# Allegro board SDHCalFEB_old.brd (continued)
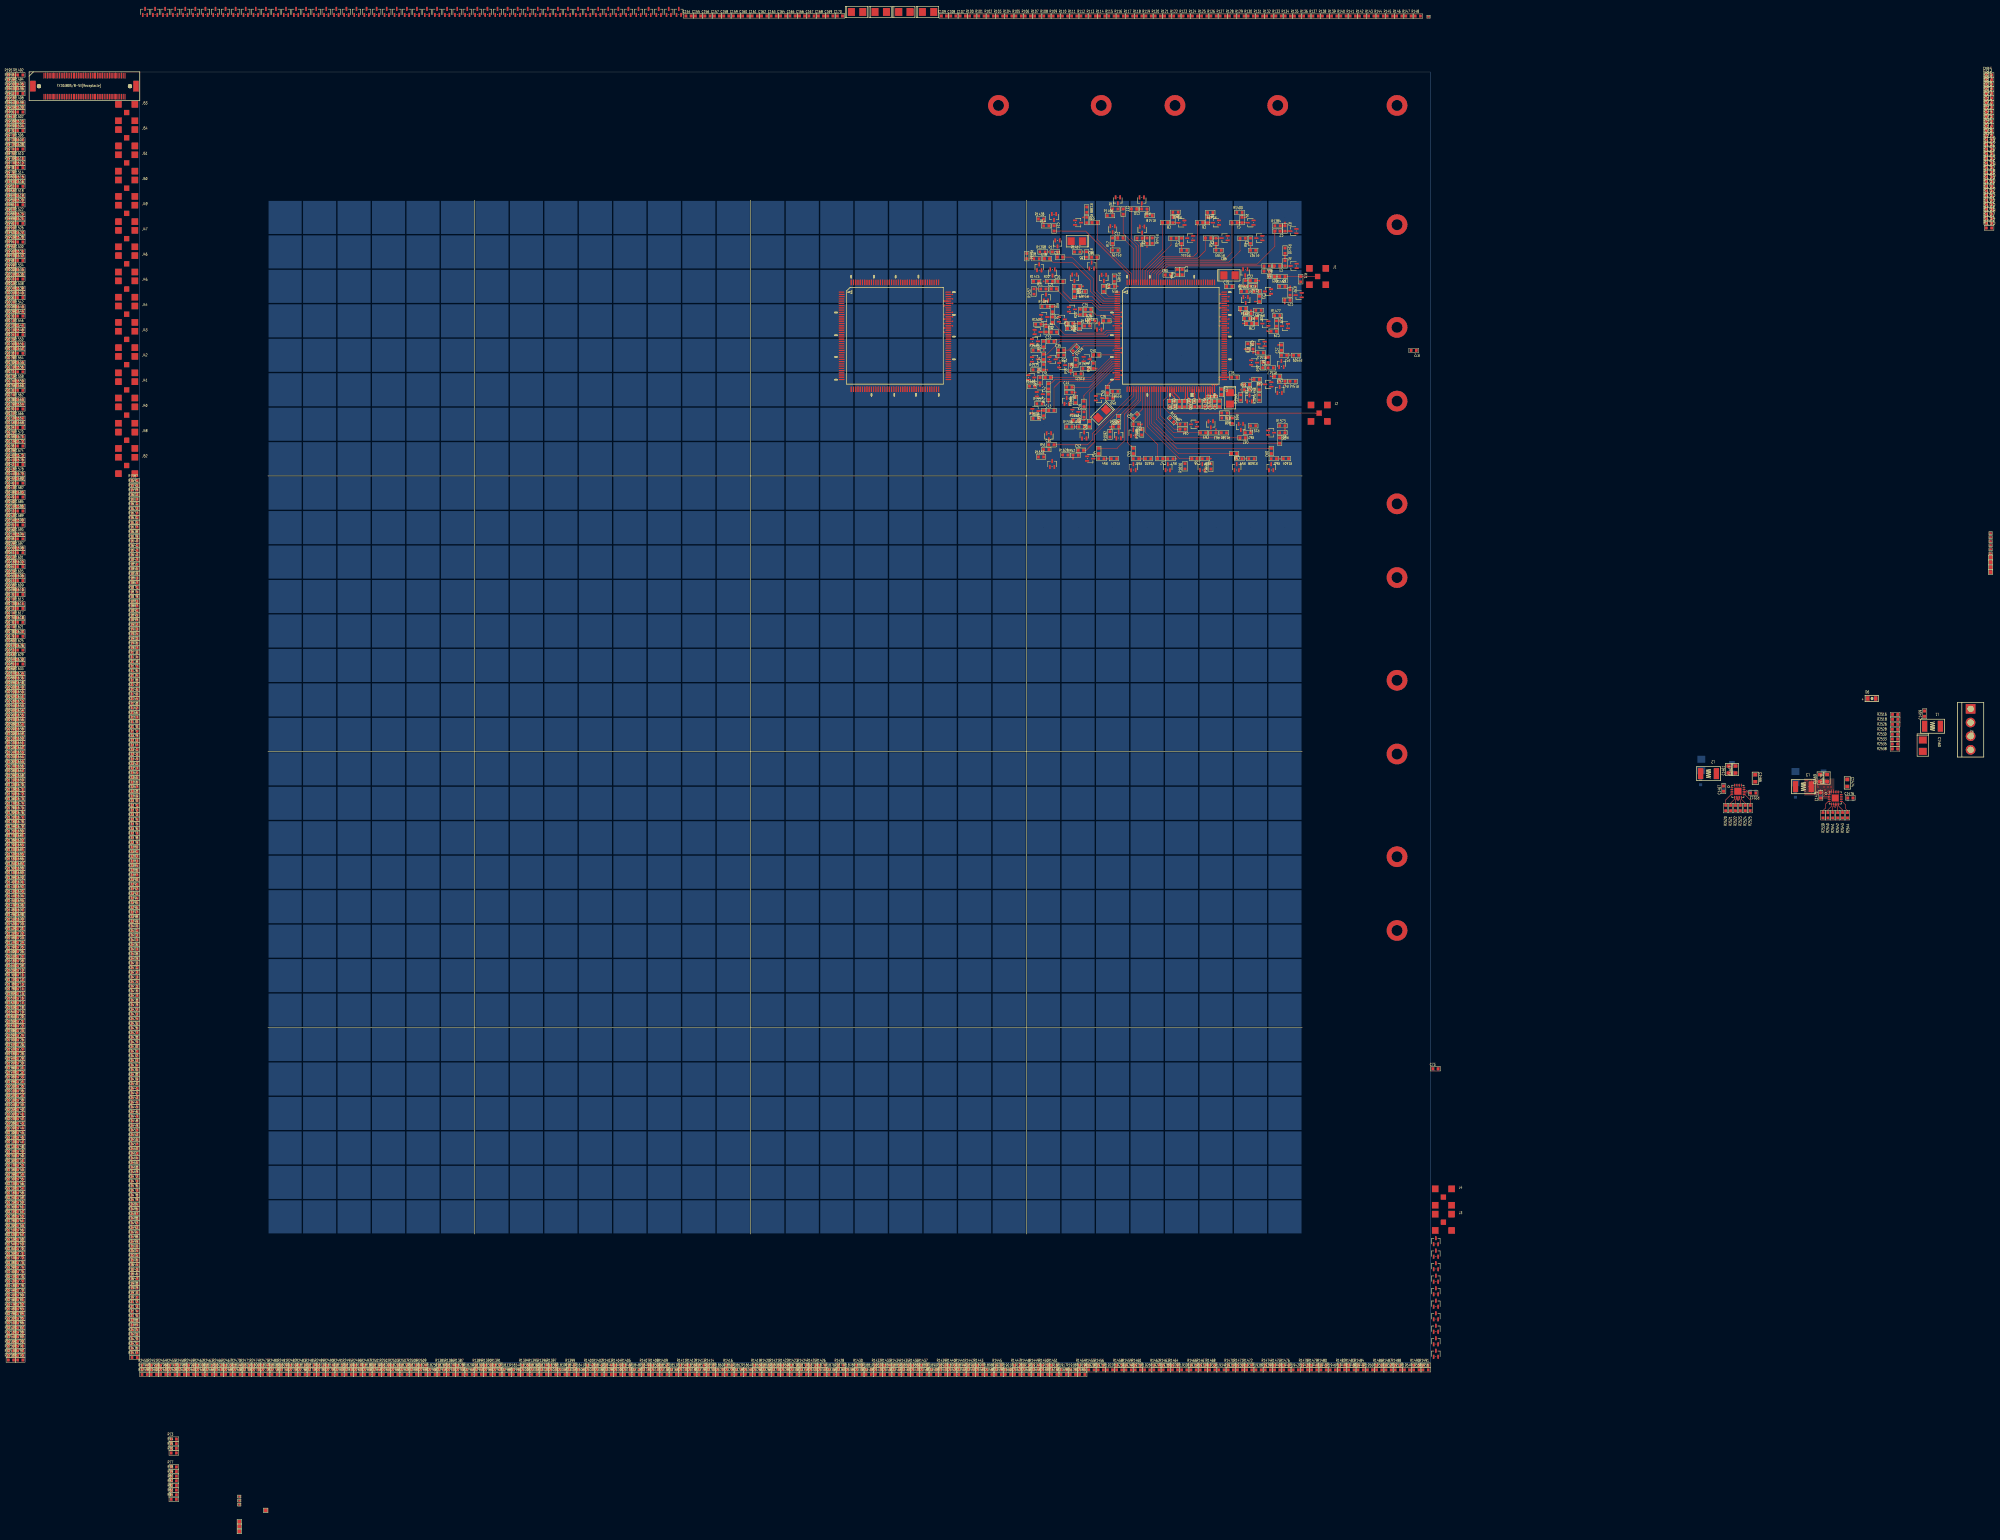
[diagram p0: board, top side]
## Routing (per net, layer and track width the routed paths; a pad name or vN(x,y) marks a point on that pad's centre or on a via; arc(x,y) is an arc through that point) (continued)
ANALOGIN41_ASIC_A1: length 21.9
  TOP w0.127: U65.30 281.79,291.67 275.86,285.74 C41.2
ANALOGIN42_ASIC_A1: length 22.9
  TOP w0.127: C42.2 264.23,283.93 265.46,285.17 276.15,285.17 282,291.02 U65.31
ANALOGIN43_ASIC_A1: length 28.1
  TOP w0.127: U65.32 282.04,290.37 276.17,284.51 266.88,284.51 265.21,282.84 C43.2
ANALOGIN44_ASIC_A1: length 16
  TOP w0.127: U65.33 282.23,289.72 275.44,282.93 C44.2
ANALOGIN45_ASIC_A1: length 14.9
  TOP w0.127: U65.34 282.39,289.07 273.9,280.58 C45.2
ANALOGIN46_ASIC_A1: length 19.4
  TOP w0.127: U65.35 282.6,288.42 275.48,281.3 C46.2
ANALOGIN47_ASIC_A1: length 46.2
  TOP w0.127: v2(284.77,287.77) U65.36 ; C47.2 v2(328.02,286.11)
  GND1 w0.127: v2(328.02,286.11) v3(327.24,286.11) ; v3(285.51,287.77) v2(284.77,287.77)
  SIG3 w0.127: v3(327.24,286.11) 326.74,286.61 288.34,286.61 287.18,287.77 v3(285.51,287.77)
ANALOGIN48_ASIC_A1: length 42.8
  TOP w0.127: C48.2 v2(322.02,285.21) ; v2(282.41,287.12) U65.37
  GND1 w0.127: v3(283.15,287.12) v2(282.41,287.12) ; v2(322.02,285.21) v3(320.68,285.21)
  SIG3 w0.127: v3(283.15,287.12) 286.36,287.12 288.27,285.21 v3(320.68,285.21)
ANALOGIN49_ASIC_A1: length 37.1
  TOP w0.127: v2(284.77,286.47) U65.38
  GND1 w0.127: v2(319.4,283.69) v3(318.67,283.69) ; v3(285.51,286.47) v2(284.77,286.47)
  SIG3 w0.127: v3(285.51,286.47) 288.49,283.49 317.92,283.49 318.12,283.69 v3(318.67,283.69)
ANALOGIN50_ASIC_A1: length 4.6
  TOP w0.127: C50.2 280.68,283.54 282.96,285.82 U65.39
ANALOGIN51_ASIC_A1: length 31.1
  TOP w0.127: U65.43 287.72,280.83 276.38,269.49 276.38,267.69 274.91,266.22 C51.2
ANALOGIN52_ASIC_A1: length 24.2
  TOP w0.127: C52.2 274.59,264.66 277.01,267.08 277.01,269.09 288.37,280.44 U65.44
ANALOGIN53_ASIC_A1: length 10
  TOP w0.127: C53.2 284.01,274.46 289.02,279.47 U65.45
ANALOGIN54_ASIC_A1: length 25
  TOP w0.127: U65.46 289.67,279.15 285.57,275.06 285.57,267.28 283.5,265.21 C54.2
ANALOGIN55_ASIC_A1: length 19.4
  TOP w0.127: U65.47 290.32,278.99 286.54,275.21 286.54,266.85 288.17,265.21 C55.2
ANALOGIN56_ASIC_A1: length 8
  TOP w0.127: C56.2 290.97,276.71 U65.48
ANALOGIN57_ASIC_A1: length 21.7
  TOP w0.127: U65.49 291.62,269.95 295.26,266.31 C57.2
ANALOGIN58_ASIC_A1: length 27.6
  TOP w0.127: U65.50 292.27,271.56 301.64,262.19 C58.2
ANALOGIN59_ASIC_A1: length 37.5
  TOP w0.127: U65.51 292.92,272 301.22,263.7 C59.2
ANALOGIN60_ASIC_A1: length 47.5
  TOP w0.127: C60.2 300.8,265.21 293.57,272.45 U65.52
ANALOGIN61_ASIC_A1: length 48.5
  TOP w0.127: C61.2 300.27,266.71 294.22,272.76 U65.53
ANALOGIN62_ASIC_A1: length 35.2
  TOP w0.127: U65.54 294.87,273.66 300.28,268.25 C62.2
ANALOGIN63_ASIC_A1: length 22.2
  TOP w0.127: U65.55 295.52,274.08 299.89,269.71 C63.2
ANALOGIN64_ASIC_A1: length 14.9
  TOP w0.127: C64.2 300.03,270.76 296.17,274.62 U65.56
CALI_EXT_ASIC_A1: length 9.4
  TOP w0.127: C66.1 332.82,315.04 332.82,315.05 R71.1 337.38,315.05 337.39,315.06 J1.1
CHIPSATB_A: length 87.1
  TOP w0.127: v2(233.4,302.72) U130.108 ; U65.108 v2(315.92,302.72)
  GND1 w0.127: v3(315.14,302.72) 315.14,302.72 v2(315.92,302.72) ; v2(233.4,302.72) 232.79,302.72 232.79,302.72 v3(232.66,302.72)
  SIG1 w0.127: v3(232.66,302.72) 233.21,302.72 233.26,302.77 288.27,302.77 288.9,303.4 311.53,303.4 312.22,302.72 v3(315.14,302.72)
CTEST_ASIC_A1: length 23.4
  TOP w0.127: R70.2 298.61,275.43 296.95,277.09 296.95,279.15 298.12,280.31 U65.59
CTEST_SMA_ASIC_A1: length 26.7
  TOP w0.127: J2.1 341.16,275.41 341.14,275.43 R70.1
DOUT1B_A: length 89.6
  TOP w0.127: v2(233.4,300.12) U130.104 ; U65.104 v2(315.77,300.12)
  GND1 w0.127: v3(232.66,300.12) v2(233.4,300.12) ; v2(315.77,300.12) v3(316.51,300.12)
  SIG1 w0.127: v3(316.51,300.12) 313.76,300.12 311.43,297.79 260.98,297.79 258.65,300.12 v3(232.66,300.12)
DOUT2B_A: length 83.3
  TOP w0.127: U65.105 v2(313.24,300.77) ; v2(235.76,300.77) U130.105
  GND1 w0.127: v2(313.24,300.77) v3(313.98,300.77) ; v3(236.5,300.77) v2(235.76,300.77)
  SIG1 w0.127: v3(236.5,300.77) 259.17,300.77 261.32,298.63 311.1,298.63 v2(313.24,300.77) v3(313.98,300.77)
ESD_SIGNAL1_ASIC_A1: length 3.2
  TOP w0.127: U1.3 332.8,318.13 332.8,318.13 R1.2 C1.1
ESD_SIGNAL2_ASIC_A1: length 3
  TOP w0.127: U2.3 332.8,328.24 332.8,328.24 R2.2 331.61,328.24 331.59,328.23 C2.1
ESD_SIGNAL4_ASIC_A1: length 3
  TOP w0.127: C4.1 318.95,330.67 318.96,330.68 R4.2 320.35,330.68 320.36,330.67 U4.3
ESD_SIGNAL5_ASIC_A1: length 3.2
  TOP w0.127: U5.3 312.79,326.2 312.78,326.2 R5.2 311.59,326.2 311.58,326.21 C5.1
ESD_SIGNAL6_ASIC_A1: length 3
  TOP w0.127: C6.1 309.16,330.67 309.16,330.67 R6.2 310.35,330.67 310.36,330.67 U6.3
ESD_SIGNAL8_ASIC_A1: length 3.1
  TOP w0.127: U8.3 300.31,330.66 300.3,330.67 R8.2 299.1,330.67 299.09,330.68 C8.1
ESD_SIGNAL10_ASIC_A1: length 3.1
  TOP w0.127: U10.3 290.66,335.26 290.67,335.25 R10.2 290.1,334.65 290.09,334.64 C10.1
ESD_SIGNAL22_ASIC_A1: length 3.1
  TOP w0.127: U22.3 320.68,314.42 320.68,314.42 R22.2 C22.1
ESD_SIGNAL26_ASIC_A1: length 3.2
  TOP w0.127: R26.2 277.09,302.18 277.88,301.39 U26.3 278.82,301.39 279.6,302.17 C26.1
ESD_SIGNAL30_ASIC_A1: length 2.9
  TOP w0.127: C30.1 269.1,300.63 269.11,300.63 R30.2 269.11,301.86 U30.3
ESD_SIGNAL31_ASIC_A1: length 3.1
  TOP w0.127: U31.3 263.99,303.31 263.99,303.31 C31.1 264.77,303.91 264.77,303.92 R31.2
ESD_SIGNAL32_ASIC_A1: length 3.1
  TOP w0.127: U32.3 262.33,298.97 262.34,298.95 R32.2 263.53,298.95 263.54,298.95 C32.1
ESD_SIGNAL35_ASIC_A1: length 1.8
  TOP w0.127: U35.3 266.01,290.99 266.49,291.47 R35.2
ESD_SIGNAL40_ASIC_A1: length 3.3
  TOP w0.127: C40.1 276.67,292.27 275.56,291.16 U40.3 275.56,290.92 276.59,289.89 R40.2
ESD_SIGNAL43_ASIC_A1: length 1.6
  TOP w0.127: R43.2 260.82,276.18 U43.3
ESD_SIGNAL50_ASIC_A1: length 3.1
  TOP w0.127: U50.3 279.89,279.74 279.9,279.75 R50.2 280.68,280.69 280.68,280.7 C50.1
ESD_SIGNAL53_ASIC_A1: length 3.1
  TOP w0.127: C53.1 283.97,272.06 283.96,272.05 R53.2 283.96,270.65 283.96,270.65 U53.3
ESD_SIGNAL56_ASIC_A1: length 3.4
  TOP w0.127: U56.3 288.21,271.61 288.2,271.61 R56.2 288.2,273.93 C56.1
GEM_OUT_A1: length 3.6
  TOP w0.127: R1410.2 332.21,321.18 332.2,321.17 v2(332.2,320.73) 332.2,320.23 332.2,320.23 R1.1
  GND1 w0.127: v3(332.2,321.46) v2(332.2,320.73)
  GND3 w0.127: v5(332.2,322.2) v3(332.2,321.46)
GEM_OUT_A2: length 3.8
  TOP w0.127: R1384.2 331.38,329.77 331.39,329.76 R2.1 332.2,329.77 v2(332.2,330.73)
  GND1 w0.127: v3(332.2,331.46) v2(332.2,330.73)
  GND3 w0.127: v5(332.2,332.2) v3(332.2,331.46)
GEM_OUT_A3: length 1.5
  GND1 w0.127: v3(322.2,322.94) v2(322.2,323.67)
  GND3 w0.127: v5(322.2,322.2) v3(322.2,322.94)
GEM_OUT_A4: length 3.9
  TOP w0.127: R1400.2 319.76,332.78 319.76,332.77 R4.1 320.72,332.2 v2(320.73,332.2)
  GND1 w0.127: v3(321.46,332.2) v2(320.73,332.2)
  GND3 w0.127: v5(322.2,332.2) v3(321.46,332.2)
GEM_OUT_A5: length 3.5
  TOP w0.127: R5.1 312.19,323.69 v2(312.2,323.67) 312.19,323.66 R1393.2
  GND1 w0.127: v3(312.2,322.94) v2(312.2,323.67)
  GND3 w0.127: v5(312.2,322.2) v3(312.2,322.94)
GEM_OUT_A6: length 3.9
  TOP w0.127: v2(310.73,332.2) 310.72,332.19 R6.1 309.76,332.77 309.75,332.77 R1429.2
  GND1 w0.127: v3(311.46,332.2) v2(310.73,332.2)
  GND3 w0.127: v5(312.2,332.2) v3(311.46,332.2)
GEM_OUT_A7: length 3.5
  TOP w0.127: R7.1 302.2,324.64 v2(302.2,323.67) 302.2,322.67 R1444.2
  GND1 w0.127: v3(302.2,322.94) v2(302.2,323.67)
  GND3 w0.127: v5(302.2,322.2) v3(302.2,322.94)
GEM_OUT_A8: length 4
  TOP w0.127: v2(300.73,332.2) 300.72,332.19 R8.1 299.7,332.77 299.69,332.77 R1431.2
  GND1 w0.127: v3(301.46,332.2) v2(300.73,332.2)
  GND3 w0.127: v5(302.2,332.2) v3(301.46,332.2)
GEM_OUT_A9: length 1.5
  GND1 w0.127: v3(292.2,322.94) v2(292.2,323.67)
  GND3 w0.127: v5(292.2,322.2) v3(292.2,322.94)
GEM_OUT_A10: length 3.4
  TOP w0.127: R1418.2 292.2,333.67 v2(292.2,333.67) 292.2,333.68 R10.1
  GND1 w0.127: v3(292.2,332.94) v2(292.2,333.67)
  GND3 w0.127: v5(292.2,332.2) v3(292.2,332.94)
GEM_OUT_A11: length 1.5
  GND1 w0.127: v3(282.2,332.94) v2(282.2,333.67)
  GND3 w0.127: v5(282.2,332.2) v3(282.2,332.94)
GEM_OUT_A12: length 1.5
  GND1 w0.127: v3(282.2,322.94) v2(282.2,323.67)
  GND3 w0.127: v5(282.2,322.2) v3(282.2,322.94)
GEM_OUT_A13: length 1.5
  GND1 w0.127: v3(272.94,332.2) v2(273.67,332.2)
  GND3 w0.127: v5(272.2,332.2) v3(272.94,332.2)
GEM_OUT_A14: length 1.5
  GND1 w0.127: v3(262.2,331.46) v2(262.2,330.73)
  GND3 w0.127: v5(262.2,332.2) v3(262.2,331.46)
GEM_OUT_A15: length 1.5
  GND1 w0.127: v3(282.94,312.2) v2(283.67,312.2)
  GND3 w0.127: v5(282.2,312.2) v3(282.94,312.2)
GEM_OUT_A16: length 1.5
  GND1 w0.127: v3(272.94,322.2) v2(273.67,322.2)
  GND3 w0.127: v5(272.2,322.2) v3(272.94,322.2)
GEM_OUT_A17: length 1.5
  GND1 w0.127: v3(262.94,322.2) v2(263.67,322.2)
  GND3 w0.127: v5(262.2,322.2) v3(262.94,322.2)
GEM_OUT_A18: length 37.6
  GND1 w0.127: v3(259.11,320.22) v2(258.37,320.22)
  SIG3 w0.127: v3(292.2,312.94) 266.39,312.94 v3(259.11,320.22)
  GND3 w0.127: v5(292.2,312.2) v3(292.2,312.94)
GEM_OUT_A19: length 1.5
  GND1 w0.127: v3(272.94,312.2) v2(273.67,312.2)
  GND3 w0.127: v5(272.2,312.2) v3(272.94,312.2)
GEM_OUT_A20: length 1.5
  GND1 w0.127: v3(262.2,312.94) v2(262.2,313.67)
  GND3 w0.127: v5(262.2,312.2) v3(262.2,312.94)
GEM_OUT_A21: length 42.6
  GND1 w0.127: v3(261.11,311.46) v2(260.38,311.46)
  SIG3 w0.127: v3(302.2,311.46) v3(261.11,311.46)
  GND3 w0.127: v5(302.2,312.2) v3(302.2,311.46)
GEM_OUT_A22: length 8.5
  TOP w0.127: v2(319.66,312.32) R22.1
  GND1 w0.127: v2(319.66,312.32) v3(318.92,312.32)
  SIG3 w0.127: v3(312.95,312.2) 313.5,312.2 313.62,312.32 v3(318.92,312.32)
  GND3 w0.127: v5(312.2,312.2) v3(312.95,312.2)
GEM_OUT_A23: length 1.5
  GND1 w0.127: v3(322.2,311.46) v2(322.2,310.73)
  GND3 w0.127: v5(322.2,312.2) v3(322.2,311.46)
GEM_OUT_A24: length 2.6
  TOP w0.127: v2(333.67,312.2) 333.67,311.03
  GND1 w0.127: v3(332.94,312.2) v2(333.67,312.2)
  GND3 w0.127: v5(332.2,312.2) v3(332.94,312.2)
GEM_OUT_A25: length 22
  TOP w0.127: R25.1 v2(271.88,304.02)
  GND1 w0.127: v2(271.88,304.02) v3(272.61,304.02)
  SIG3 w0.127: v3(291.55,302.2) 282.79,302.2 280.97,304.02 v3(272.61,304.02)
  GND3 w0.127: v5(292.2,302.2) v3(291.55,302.2)
GEM_OUT_A26: length 9.6
  TOP w0.127: R26.1 275.57,301.61 275.57,301.6 R1497.2
  GND1 w0.127: v3(275.31,302.2) v2(274.57,302.2)
  SIG3 w0.127: v3(281.46,302.2) 280.94,301.68 275.83,301.68 v3(275.31,302.2)
  GND3 w0.127: v5(282.2,302.2) v3(281.46,302.2)
GEM_OUT_A27: length 14.3
  TOP w0.127: R27.1 322.35,304.3 v2(322.35,305.26)
  GND1 w0.127: v3(322.35,304.52) v2(322.35,305.26)
  SIG3 w0.127: v3(311.46,302.2) 312.94,302.2 314.11,303.38 321.21,303.38 v3(322.35,304.52)
  GND3 w0.127: v5(312.2,302.2) v3(311.46,302.2)
GEM_OUT_A28: length 1.5
  GND1 w0.127: v3(322.94,302.2) v2(322.94,302.94)
  GND3 w0.127: v5(322.2,302.2) v3(322.94,302.2)
GEM_OUT_A29: length 1.5
  GND1 w0.127: v3(331.46,302.2) v2(330.73,302.2)
  GND3 w0.127: v5(332.2,302.2) v3(331.46,302.2)
GEM_OUT_A30: length 3.5
  TOP w0.127: R30.1 270.64,301.46 v2(271.46,301.46) 272.01,301.46 272.02,301.46 R1501.2
  GND1 w0.127: v3(271.46,302.2) v2(271.46,301.46)
  GND3 w0.127: v5(272.2,302.2) v3(271.46,302.2)
GEM_OUT_A31: length 41.2
  TOP w0.127: v2(265.76,306.35) 264.77,306.35 R31.1 264.17,306.35 264.16,306.35 R1489.2
  GND1 w0.127: v3(265.76,305.61) v2(265.76,306.35)
  SIG3 w0.127: v3(265.76,305.61) 280.24,305.61 283.11,302.74 287.76,302.74 287.96,302.95 300.72,302.95 v3(301.46,302.2)
  GND3 w0.127: v5(302.2,302.2) v3(301.46,302.2)
GEM_OUT_A32: length 4.1
  TOP w0.127: R32.1 v2(262.94,301.46) 262.26,301.46 262,301.2 R1505.2
  GND1 w0.127: v3(262.2,301.46) v2(262.94,301.46)
  GND3 w0.127: v5(262.2,302.2) v3(262.2,301.46)
GEM_OUT_A33: length 1.5
  GND1 w0.127: v3(262.2,292.94) v2(262.2,293.67)
  GND3 w0.127: v5(262.2,292.2) v3(262.2,292.94)
GEM_OUT_A34: length 31.8
  TOP w0.127: v2(263.25,287.99) R34.1
  GND1 w0.127: v2(263.25,287.99) v3(263.98,287.99)
  SIG3 w0.127: v3(263.98,287.99) 278.87,287.99 283.08,292.2 v3(291.21,292.2)
  GND3 w0.127: v5(292.2,292.2) v3(291.21,292.2)
GEM_OUT_A35: length 2.8
  TOP w0.127: v2(270.73,292.2) 270.73,292.64 270.73,292.65 270.73,293.5 R1533.2
  GND1 w0.127: v2(270.73,292.2) v3(271.46,292.2)
  GND3 w0.127: v5(272.2,292.2) v3(271.46,292.2)
GEM_OUT_A36: length 35.3
  TOP w0.127: v2(270.06,286.82) R36.1
  GND1 w0.127: v2(270.06,286.82) v3(270.79,286.82)
  SIG3 w0.127: v3(301.27,292.2) 300.38,291.31 283.69,291.31 279.2,286.82 v3(270.79,286.82)
  GND3 w0.127: v5(302.2,292.2) v3(301.27,292.2)
GEM_OUT_A37: length 1.5
  GND1 w0.127: v3(332.94,292.2) v2(333.67,292.2)
  GND3 w0.127: v5(332.2,292.2) v3(332.94,292.2)
GEM_OUT_A38: length 4
  TOP w0.127: R38.1 322.94,293.44 322.94,293.43 v2(322.94,292.94) 323.8,292.94 323.8,292.93 R1513.2
  GND1 w0.127: v3(322.2,292.94) v2(322.94,292.94)
  GND3 w0.127: v5(322.2,292.2) v3(322.2,292.94)
GEM_OUT_A39:
  vias: v5(312.2,292.2)
GEM_OUT_A40: length 8.7
  TOP w0.127: v2(277.61,288.35) 276.63,288.35 R40.1 R1529.2
  GND1 w0.127: v2(277.61,288.35) v3(278.13,288.88)
  SIG3 w0.127: v3(281.46,292.2) 278.53,289.26 278.51,289.26 v3(278.13,288.88)
  GND3 w0.127: v5(282.2,292.2) v3(281.46,292.2)
GEM_OUT_A41: length 2.5
  TOP w0.127: v2(261.16,283.24) 261.16,284.22 R41.1
  GND1 w0.127: v3(261.68,282.72) v2(261.16,283.24)
  GND3 w0.127: v5(262.2,282.2) v3(261.68,282.72)
GEM_OUT_A42: length 31.5
  TOP w0.127: v2(263.61,278.43) R42.1
  GND1 w0.127: v3(263.61,279.17) v2(263.61,278.43)
  SIG3 w0.127: v3(291.24,282.2) 288.21,279.17 v3(263.61,279.17)
  GND3 w0.127: v5(292.2,282.2) v3(291.24,282.2)
GEM_OUT_A43: length 1.5
  GND1 w0.127: v3(262.2,272.94) v2(262.2,273.67)
  GND3 w0.127: v5(262.2,272.2) v3(262.2,272.94)
GEM_OUT_A44: length 4
  TOP w0.127: R1565.2 271.45,280.57 271.46,280.58 v2(271.46,281.46) 271,281.46 271,281.46 R44.1
  GND1 w0.127: v2(271.46,281.46) v3(272.2,281.46)
  GND3 w0.127: v5(272.2,282.2) v3(272.2,281.46)
GEM_OUT_A45: length 35
  TOP w0.127: R1553.2 272.89,273.31 272.9,273.3 v2(273.89,273.3) R45.1
  GND1 w0.127: v3(273.89,274.08) v2(273.89,273.3)
  SIG3 w0.127: v3(301.25,282.2) 294.82,282.2 291.03,278.41 278.22,278.41 v3(273.89,274.08)
  GND3 w0.127: v5(302.2,282.2) v3(301.25,282.2)
GEM_OUT_A46: length 2.5
  TOP w0.127: R46.1 271.47,271.45 v2(271.46,271.46)
  GND1 w0.127: v3(272.2,271.46) v2(271.46,271.46)
  GND3 w0.127: v5(272.2,272.2) v3(272.2,271.46)
GEM_OUT_A47: length 1.5
  GND1 w0.127: v3(332.2,282.94) v2(332.2,283.67)
  GND3 w0.127: v5(332.2,282.2) v3(332.2,282.94)
GEM_OUT_A48: length 1.5
  GND1 w0.127: v3(322.94,282.2) v2(323.67,282.2)
  GND3 w0.127: v5(322.2,282.2) v3(322.94,282.2)
GEM_OUT_A49: length 7.1
  GND1 w0.127: v3(318.61,282.2) v2(319.35,282.2)
  SIG3 w0.127: v3(313.4,282.2) v3(318.61,282.2)
  GND3 w0.127: v5(312.2,282.2) v3(313.4,282.2)
GEM_OUT_A50: length 3.5
  TOP w0.127: R1561.2 282.21,280.74 v2(282.2,280.73) 282.21,280.72 R50.1
  GND1 w0.127: v3(282.2,281.46) v2(282.2,280.73)
  GND3 w0.127: v5(282.2,282.2) v3(282.2,281.46)
GEM_OUT_A51: length 1.5
  GND1 w0.127: v3(262.2,262.94) v2(262.2,263.67)
  GND3 w0.127: v5(262.2,262.2) v3(262.2,262.94)
GEM_OUT_A52: length 2.5
  TOP w0.127: v2(270.73,262.2) R52.1
  GND1 w0.127: v3(271.46,262.2) v2(270.73,262.2)
  GND3 w0.127: v5(272.2,262.2) v3(271.46,262.2)
GEM_OUT_A53: length 3.9
  TOP w0.127: R53.1 282.43,271.46 v2(281.46,271.46) 281.46,270.59 281.45,270.58 R1592.2
  GND1 w0.127: v3(281.46,272.2) v2(281.46,271.46)
  GND3 w0.127: v5(282.2,272.2) v3(281.46,272.2)
GEM_OUT_A54: length 1.5
  GND1 w0.127: v3(281.46,262.2) v2(280.73,262.2)
  GND3 w0.127: v5(282.2,262.2) v3(281.46,262.2)
GEM_OUT_A55: length 1.5
  GND1 w0.127: v3(291.46,262.2) v2(290.73,262.2)
  GND3 w0.127: v5(292.2,262.2) v3(291.46,262.2)
GEM_OUT_A56: length 4.1
  TOP w0.127: R56.1 290.72,272.21 v2(290.73,272.2) 290.73,271.76 290.65,271.68 R1588.2
  GND1 w0.127: v3(291.46,272.2) v2(290.73,272.2)
  GND3 w0.127: v5(292.2,272.2) v3(291.46,272.2)
GEM_OUT_A57: length 1.5
  GND1 w0.127: v3(301.46,262.2) v2(300.73,262.2)
  GND3 w0.127: v5(302.2,262.2) v3(301.46,262.2)
GEM_OUT_A58: length 1.5
  GND1 w0.127: v3(311.46,262.2) v2(310.73,262.2)
  GND3 w0.127: v5(312.2,262.2) v3(311.46,262.2)
GEM_OUT_A59: length 1.5
  GND1 w0.127: v3(321.46,262.2) v2(320.73,262.2)
  GND3 w0.127: v5(322.2,262.2) v3(321.46,262.2)
GEM_OUT_A60: length 1.5
  GND1 w0.127: v3(331.46,262.2) v2(330.73,262.2)
  GND3 w0.127: v5(332.2,262.2) v3(331.46,262.2)
GEM_OUT_A61: length 1.5
  GND1 w0.127: v3(332.2,271.46) v2(332.2,270.73)
  GND3 w0.127: v5(332.2,272.2) v3(332.2,271.46)
GEM_OUT_A62: length 1.5
  GND1 w0.127: v2(322.2,270.73) v3(322.2,271.46)
  GND3 w0.127: v5(322.2,272.2) v3(322.2,271.46)
GEM_OUT_A63: length 1.5
  GND1 w0.127: v3(312.2,271.46) v2(312.2,270.73)
  GND3 w0.127: v5(312.2,272.2) v3(312.2,271.46)
GEM_OUT_A64: length 1.5
  GND1 w0.127: v3(301.46,272.2) v2(300.73,272.2)
  GND3 w0.127: v5(302.2,272.2) v3(301.46,272.2)
HOLD_A: length 81.5
  TOP w0.127: v2(235.76,309.87) U130.119 ; U65.119 v2(313.41,309.87)
  GND1 w0.127: v3(236.5,309.87) v2(235.76,309.87) ; v2(313.41,309.87) v3(314.15,309.87)
  SIG1 w0.127: v3(314.15,309.87) v3(236.5,309.87)
IREF_DAC_ASIC_A1: length 3.6
  TOP w0.254: U65.73 307.22,279.77 307.5,279.49 R67.1
N271553_ASIC_A1: length 35.4
  TOP w0.127: R66.2 R65.2 298.17,318.13 295.52,315.48 U65.146
N271605_ASIC_A1: length 1.5
  TOP w0.127: R66.1 C65.2
N360973_ASIC_A1: length 1.5
  TOP w0.127: C66.2 329.78,315.04 329.77,315.06 C65.1
READOUT1_A1TOA2: length 88.2
  TOP w0.127: v2(233.4,304.02) U130.110 ; U65.112 v2(315.77,305.32)
  GND1 w0.127: v2(315.77,305.32) v3(316.51,305.32) ; v3(232.66,304.02) v2(233.4,304.02)
  SIG1 w0.127: v3(232.66,304.02) 271.08,304.02 272.38,305.32 v3(316.51,305.32)
READOUT2_A1TOA2: length 80.5
  TOP w0.127: U65.113 v2(313.41,305.97) ; v2(235.76,304.67) U130.111
  GND1 w0.127: v2(313.41,305.97) v3(312.67,305.97) ; v3(236.5,304.67) v2(235.76,304.67)
  SIG1 w0.127: v3(312.67,305.97) 271.3,305.97 270,304.67 v3(236.5,304.67)
RESET_B_A: length 89.5
  TOP w0.127: U65.102 v2(315.81,298.82) ; v2(233.38,298.82) U130.102
  GND1 w0.127: v2(233.38,298.82) v3(232.64,298.82) ; v2(315.81,298.82) v3(316.6,298.82)
  SIG1 w0.127: v3(316.6,298.82) 313.68,298.82 311.79,296.93 260.02,296.93 258.13,298.82 v3(232.64,298.82)
RST_COUNTERB_A: length 80.5
  TOP w0.127: v2(235.76,303.37) U130.109 ; U65.109 v2(313.41,303.37)
  GND1 w0.127: v2(313.41,303.37) v3(312.67,303.37) ; v3(236.5,303.37) v2(235.76,303.37)
  SIG1 w0.127: v3(236.5,303.37) 283.43,303.37 284.07,304.01 312.03,304.01 v3(312.67,303.37)
SELECT_A: length 87.7
  TOP w0.127: U65.114 v2(315.77,306.62) ; v2(233.4,306.62) U130.114
  GND1 w0.127: v2(315.77,306.62) v3(316.51,306.62) ; v3(232.66,306.62) v2(233.4,306.62)
  SIG1 w0.127: v3(316.51,306.62) v3(232.66,306.62)
SR_A1TOA2: length 84.6
  TOP w0.127: v2(235.76,308.57) U130.117 ; U65.118 v2(315.9,309.22)
  GND1 w0.127: v3(236.5,308.57) v2(235.76,308.57) ; v2(315.9,309.22) v3(316.76,309.22)
  SIG1 w0.127: v3(236.5,308.57) 237.15,309.22 v3(316.76,309.22)
SR_CK_A: length 87.7
  TOP w0.127: U65.116 v2(315.77,307.92) ; v2(233.4,307.92) U130.116
  GND1 w0.127: v2(233.4,307.92) v3(232.66,307.92) ; v2(315.77,307.92) v3(316.51,307.92)
  SIG1 w0.127: v3(316.51,307.92) v3(232.66,307.92)
SR_RSTB_A: length 80
  TOP w0.127: v2(235.76,307.27) U130.115 ; U65.115 v2(313.41,307.27)
  GND1 w0.127: v2(235.76,307.27) v3(236.5,307.27) ; v2(313.41,307.27) v3(312.67,307.27)
  SIG1 w0.127: v3(236.5,307.27) 237.05,307.27 v3(312.67,307.27)
TRANSMITON1B_A: length 87.9
  TOP w0.127: v2(233.4,301.42) 234.58,301.42 U130.106 ; U65.106 v2(315.77,301.42)
  GND1 w0.127: v3(232.66,301.42) v2(233.4,301.42) ; v2(315.77,301.42) v3(315.04,301.42)
  SIG1 w0.127: v3(232.66,301.42) 260.15,301.42 262.15,299.42 287.2,299.42 287.45,299.67 311,299.67 312.75,301.42 v3(315.04,301.42)
TRANSMITON2B_A: length 83
  TOP w0.127: v2(235.76,302.07) U130.107 ; U65.107 v2(313.41,302.07)
  GND1 w0.127: v2(313.41,302.07) v3(314.15,302.07) ; v3(236.5,302.07) v2(235.76,302.07)
  SIG1 w0.127: v3(314.15,302.07) 312.61,302.07 311.28,300.74 283.77,300.74 283.16,301.34 276.42,301.34 275.87,300.79 270.05,300.79 268.77,302.07 v3(236.5,302.07)
V_BG_A: length 1.7
  TOP w0.305: TP11.1 305.27,281.19 305.27,281.2 U65.70
VREF_DAC_ASIC_A1: length 3.6
  TOP w0.254: U65.71 305.92,281.13 306.05,281 C69.2
VREF_PA_ASIC_A1: length 3.8
  TOP w0.254: U65.61 299.42,280.72 300.18,279.95 C67.2
VREF_SH_ASIC_A1: length 4.2
  TOP w0.254: U65.62 300.07,281.29 301.62,279.74 C68.2
VTH0_ASIC_A1: length 2.9
  TOP w0.254: TP8.1 312.2,280.74 311.99,280.95 311.46,280.95 311.12,281.29 U65.79
VTH1_ASIC_A1: length 2.4
  TOP w0.254: U65.78 310.47,281.29 310.54,281.22 310.54,280.74 311.05,280.23 TP9.1
VTH2_ASIC_A1: length 2.2
  TOP w0.254: U65.77 309.82,280.96 310.03,280.75 TP10.1
N07888:
  vias: v4(278.9,364.7)
N07900:
  vias: v4(249.1,364.7)
N07912:
  vias: v4(300.3,364.7)
N08656:
  vias: v4(364.7,364.7)
N08668:
  vias: v4(330.1,364.7)
N08784:
  vias: v4(364.7,330.1)
N10096:
  vias: v5(332.2,252.2)
N10100:
  vias: v5(322.2,252.2)
N10104:
  vias: v5(312.2,252.2)
N10108:
  vias: v5(302.2,252.2)
N10112:
  vias: v5(292.2,252.2)
N10116:
  vias: v5(282.2,252.2)
N10120:
  vias: v5(272.2,252.2)
N10124:
  vias: v5(262.2,252.2)
N10128:
  vias: v5(332.2,242.2)
N10132:
  vias: v5(322.2,242.2)
N10136:
  vias: v5(312.2,242.2)
N10140:
  vias: v5(302.2,242.2)
N10144:
  vias: v5(292.2,242.2)
N10148:
  vias: v5(282.2,242.2)
N10152:
  vias: v5(272.2,242.2)
N10156:
  vias: v5(262.2,242.2)
N11960:
  vias: v4(364.7,300.3)
N12028:
  vias: v4(364.7,278.9)
N12112:
  vias: v4(364.7,249.1)
N15138:
  vias: v4(364.7,227.7)
N15234:
  vias: v4(364.7,197.9)
N15294:
  vias: v4(364.7,176.5)
N17922:
  vias: v4(364.7,146.7)
N17974:
  vias: v4(364.7,125.3)
N224788: length 1.9
  TOP w0.127: U1076.13 v1(466.11,165.71)
  BOTTOM w0.127: v1(466.11,165.71) C1468.1
N224884: length 1.9
  TOP w0.127: R2513.2 466.66,165.2 466.65,165.21 U1076.12
N225120: length 4
  TOP w0.127: U1076.5 461.55,164.71 460.02,163.18 R2520.2
N225194: length 2.8
  TOP w0.127: R2521.2 461.44,162.23 462.58,163.36 U1076.6
N225214: length 2.5
  TOP w0.127: U1076.7 463.08,163.36 462.86,163.15 R2522.2
N225218: length 2.5
  TOP w0.127: R2523.2 464.29,163.15 464.08,163.36 U1076.9
N225222: length 2.8
  TOP w0.127: R2524.2 465.71,162.23 464.58,163.36 U1076.10
N225226: length 4
  TOP w0.127: R2525.2 467.13,163.18 465.6,164.71 U1076.11
N16754290: length 22
  TOP w0.127: 490.04,165.06 U1077.1 489.46,164.75 ; U1077.19 491.29,166.09 ; 489.43,167.84 C1470.1 ; C1470.1 489.43,169.21 ; C1470.1 488.68,168.52 ; C1470.1 490.18,168.52 ; 484.84,165.25 L3.1 ; L3.1 485.78,167.02 ; L3.1 483.9,167.02 ; L3.1 484.84,168.78 ; 487.58,164.69 C1475.2 ; C1475.2 486.96,165.28 ; C1475.2 487.58,165.86 ; C1475.2 488.2,165.28 ; 490.49,165.5 U1077.20 490.79,166.09 ; C1469.1 488.18,168.52 ; C1469.1 487.43,169.21 ; C1469.1 486.68,168.52 ; C1469.1 487.43,167.84
  BOTTOM w0.127: 487.41,168.53 C1471.1 ; C1471.1 488.42,169.41 ; C1471.1 488.42,167.65 ; C1471.1 489.42,168.53 ; 486.99,165.79 R2536.1 ; R2536.1 487.58,165.23 ; R2536.1 488.16,165.79 ; R2536.1 487.58,166.34
  vias: v1(486.77,167.06) v1(488.54,166.98) v1(488.82,165.96) v1(489.69,166.9) v1(489.89,165.76) v1(490.58,166.88)
N16754358: length 2.5
  TOP w0.127: C1475.1 U1077.3
N16754610: length 4.2
  TOP w0.127: R2539.2 488.24,160.08 488.95,160.79 488.95,161.94 489.77,162.75 U1077.5
N16754668: length 3
  TOP w0.127: U1077.6 490.79,161.41 489.66,160.27 R2540.2
N16754688: length 2.6
  TOP w0.127: U1077.7 491.29,161.39 491.08,161.18 R2541.2
N16754708: length 2.6
  TOP w0.127: U1077.9 492.29,161.41 492.51,161.2 R2542.2
N16754712: length 3
  TOP w0.127: R2543.2 493.93,160.27 492.79,161.41 U1077.10
N16754716: length 4.2
  TOP w0.127: R2544.2 495.35,160.08 494.69,160.74 494.69,161.89 493.82,162.75 U1077.11
N167543981: length 2.5
  TOP w0.127: U1077.2 v1(488.65,164.25)
  BOTTOM w0.127: v1(488.65,164.25) 488.18,164.25 488.18,164.26 R2536.2

## Copper pours and planes (outline as drawn; the poured copper is in the pictures)
N16754290 on TOP: 482.75,169.39 482.75,164.49 491.54,164.49 491.54,169.39
N16754290 on BOTTOM: 486.08,169.72 486.08,164.87 491.11,164.87 491.11,169.72
